# Altium PCB UniBot-PW01 V1.0.PcbDoc
Units mm, origin at the board's own origin, x right, y up, seen from the top; angles counter-clockwise.
Board outline 89.7 x 64.61 mm, 2 copper layers (Top Layer, Bottom Layer); 64 components, 69 nets, 256 pads, 482 vias.
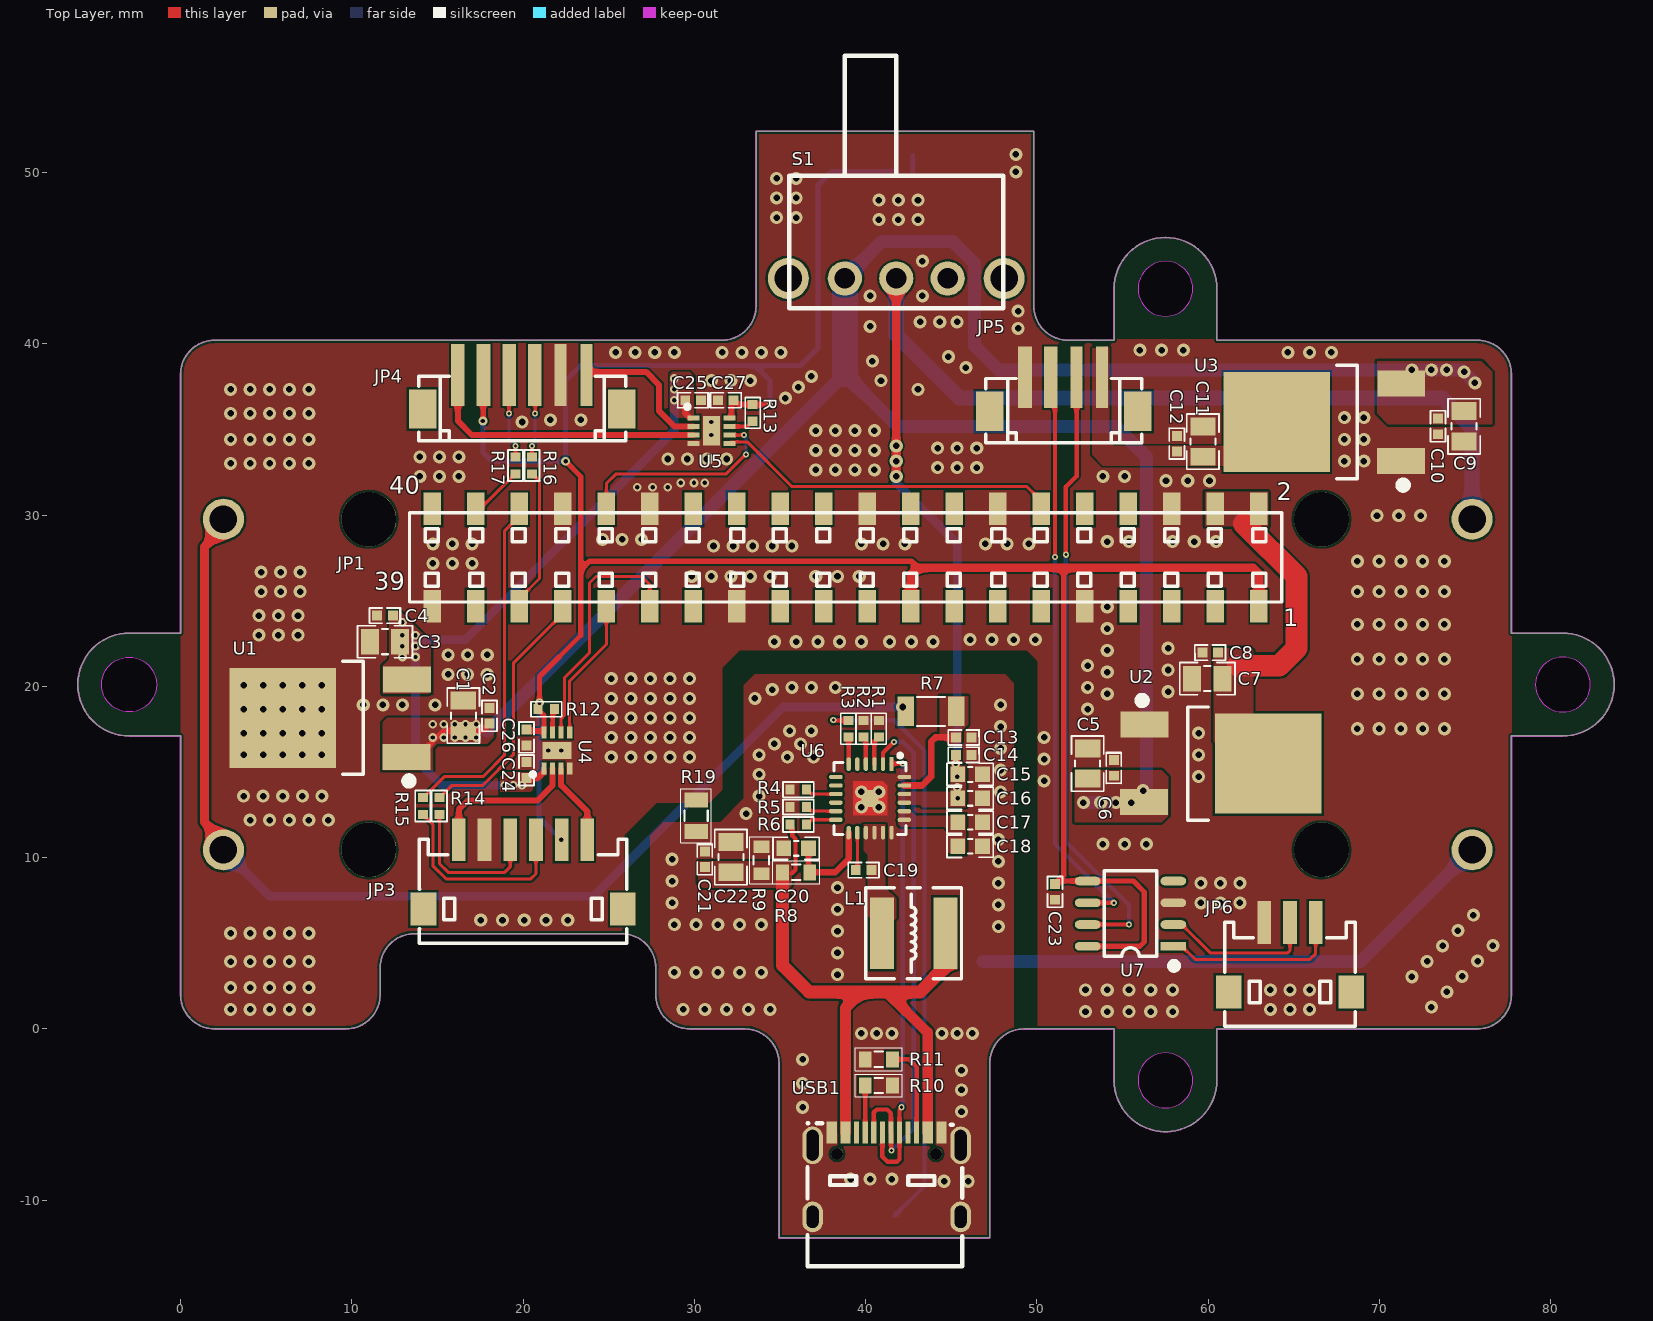
[diagram p0: Top Layer view]
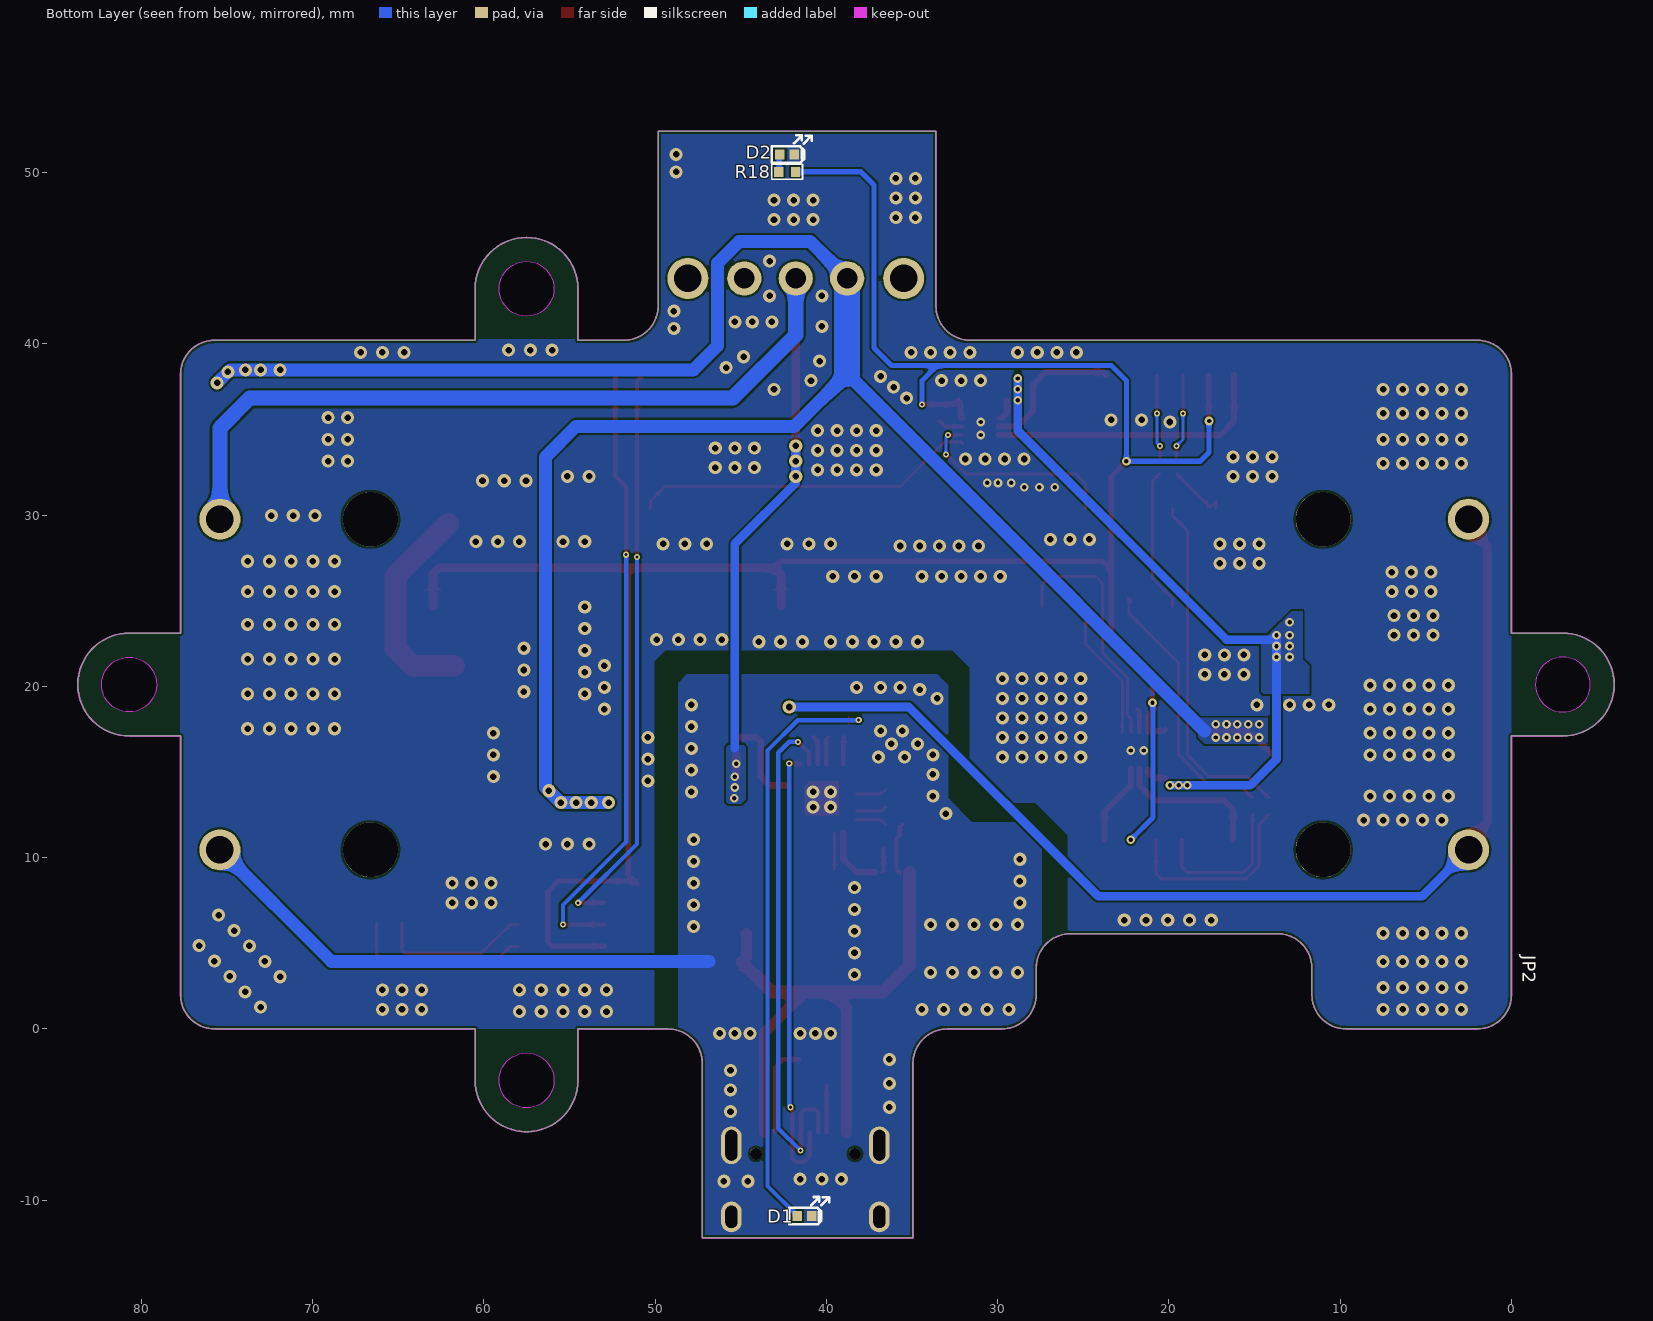
[diagram p1: Bottom Layer view, seen from below]

## Layer stack, top to bottom
Top Solder: solder mask 0.0102, Solder Resist, Dk 3.5
Top Layer: signal copper 0.0356
Dielectric 1: dielectric 0.32, FR-4, Dk 4.8
Bottom Layer: signal copper 0.0356
Bottom Solder: solder mask 0.0102, Solder Resist, Dk 3.5

## Board outline
0,2 ccw(c2,2) 2,0 9.652,0 ccw(c9.652,2) 11.652,2 11.652,3.556 cw(c13.652,3.556) 13.652,5.556 25.749,5.556 cw(c25.749,3.556) 27.749,3.556 27.749,2 ccw(c29.749,2) 29.749,0 32.939,0 cw(c32.939,-2) 34.939,-2 34.939,-12.2 47.24,-12.2 47.24,-2 cw(c49.24,-2) 49.24,0 54.501,0 54.5,0 54.5,-3 ccw(c57.5,-3) 60.5,-3 60.5,0 75.7,0 ccw(c75.7,2) 77.7,2 77.7,17.105 80.7,17.105 ccw(c80.7,20.105) 80.7,23.105 77.7,23.105 77.7,38.21 ccw(c75.7,38.21) 75.7,40.21 60.5,40.21 60.5,43.21 ccw(c57.5,43.21) 54.5,43.21 54.5,40.21 51.816,40.21 cw(c51.816,42.21) 49.816,42.21 49.816,52.41 33.6,52.41 33.6,42.21 cw(c31.6,42.21) 31.6,40.21 2,40.21 ccw(c2,38.21) 0,38.21 0,23.105 -3,23.105 ccw(c-3,20.105) -3,17.105 0,17.105
cut-out: 55.9,-3 ccw(c57.5,-3) 57.5,-4.6 ccw(c57.5,-3) 59.1,-3 ccw(c57.5,-3) 57.5,-1.4 ccw(c57.5,-3)
cut-out: 79.1,20.105 ccw(c80.7,20.105) 80.7,18.505 ccw(c80.7,20.105) 82.3,20.105 ccw(c80.7,20.105) 80.7,21.705 ccw(c80.7,20.105)
cut-out: 55.9,43.21 ccw(c57.5,43.21) 57.5,41.61 ccw(c57.5,43.21) 59.1,43.21 ccw(c57.5,43.21) 57.5,44.81 ccw(c57.5,43.21)
cut-out: -3,18.505 cw(c-3,20.105) -4.6,20.105 cw(c-3,20.105) -3,21.705 cw(c-3,20.105) -1.4,20.105 cw(c-3,20.105)

## Design rules (kind name [scope] priority, off if disabled: settings)
Clearance [All] p1: gap=0.127 ignorepadtopadclearanceinfootprint=TRUE except(0: Arc-Hole Track-Hole SMDPad-Hole THPad-Hole Via-Hole Fill-Hole Poly-Hole Region-Hole Text-Hole)
ComponentClearance [All] p1: gap=0 collisioncheckmode=3 verticalgap=0 showdistances=FALSE
Height [All] p1: minheight=0 maxheight=2539.975 prefheight=12.7
HoleSize [All] p1: absolutevalues=TRUE maxlimit=100 minlimit=0.025 maxpercent=80.000 minpercent=20.000
HoleToHoleClearance [All] p1: gap=0 allowstackedmicrovias=TRUE
MinimumSolderMaskSliver [All] p1: minsoldermaskwidth=0
PlaneConnect [All] p1: planeconnectstyle=Direct reliefexpansion=0.508 reliefentries=4 reliefconductorwidth=0.254 reliefairgap=0.254
PolygonConnect [All] p1: connectstyle=Direct reliefconductorwidth=0.254 reliefentries=4 polygonreliefangle="90 Angle" airgapwidth=0.254
RoutingVias [All] p1: holewidth=0.305 width=0.61 viastyle="Through Hole" minholewidth=0.178 minwidth=0.356 maxholewidth=0.711 maxwidth=1.27
SilkToSilkClearance [All] p1: silktosilkclearance=0
SilkToSolderMaskClearance [IsPad] p1: minsilkscreentomaskgap=0 clearancetoexposedcopper=TRUE
SolderMaskExpansion [All] p1: expansion=0.102
Width [All] p1: maxlimit=10 minlimit=0.178 preferedwidth=0.254
22 further rules are at their usual default settings.

## Components (designator, comment, footprint, x,y, rotation, side; value= is the part's Value field where it differs from the comment)
C1 "10uF" C0805 16.51,18.288 r90 top
C2 "100nF" C0402 18.034,18.288 r90 top
C3 "10uF" C0805 11.938,22.606 r0 top
C4 "100nF" C0402 11.938,24.13 r0 top
C5 "10uF" C0805 52.959,15.494 r90 top
C6 "100nF" C0402 54.483,15.24 r90 top
C7 "22uF" C0805 59.944,20.447 r0 top
C8 "100nF" C0402 60.119,21.971 r0 top
C9 "10uF" C0805 74.93,35.179 r270 top
C10 "100nF" C0402 73.406,35.179 r270 top
C11 "22uF" C0805 59.69,34.29 r270 top
C12 "100nF" C0402 58.166,34.163 r270 top
C13 "100nF" C0402 45.72,17.018 r180 top
C14 "100nF" C0402 45.72,16.002 r180 top
C15 "10uF" C0603 46.101,14.859 r0 top
C16 "10uF" C0603 46.101,13.462 r0 top
C17 "10uF" C0603 46.101,12.065 r180 top
C18 "10uF" C0603 46.101,10.668 r180 top
C19 "100nF" C0402 39.878,9.271 r180 top
C20 "10uF" C0603 35.941,10.541 r180 top
C21 "10nF" C0402 30.607,9.906 r90 top
C22 "22uF" C0805 32.131,10.033 r90 top
C23 "100nF" C0402 51.054,8.001 r270 top
C24 "100nF" C0402 20.193,15.113 r90 top
C25 "100nF" C0402 29.924,36.703 r0 top locked
C26 "100nF" C0402 20.193,17.018 r270 top
C27 "100nF" C0402 31.829,36.703 r180 top locked
D1 "BLUE LED" LED-0402 41.275,-10.922 r180 bottom
D2 "BLUE LED" LED-0402 42.291,51.054 r180 bottom
JP1 "Header 2X11" ZERO 38.827,27.527 r180 top locked
JP2 "BAT_BOX" BAT_BOX 38.953,20.107 r180 bottom locked
JP3 "HDR-1X6" ZH1.5-WS-6P 20,7 r0 top locked
JP4 "HDR-1X6" ZH1.5-LS-6P 19.938,36.195 r180 top locked
JP5 "HDR-1X4" ZH1.5-LS-4P 51.562,36.068 r180 top
JP6 "HDR-1X3" ZH1.5-WS-3P 64.77,2.159 r0 top
L1 "2.2uH" NR5020 42.799,5.588 r0 top
R1 "68K" R0402 40.767,17.526 r270 top
R2 "51K" R0402 39.878,17.526 r270 top
R3 "1K" R0402 38.989,17.526 r270 top
R4 "68K" R0402 36.068,13.97 r0 top
R5 "75K" R0402 36.068,12.954 r0 top
R6 "51K" R0402 36.068,11.938 r180 top
R7 "100R" R1206 43.815,18.542 r180 top
R8 "0.5R" R0603 35.941,9.144 r180 top
R9 "5.1K" R0603 33.909,9.846 r90 top
R10 "5.1K" R0603 40.767,-3.302 r180 top
R11 "5.1K" R0603 40.767,-1.778 r0 top
R12 "0R" R0402 21.359,18.669 r180 top
R13 "0R" R0402 33.401,35.964 r90 top locked
R14 "0R" R0402 15.113,13.016 r270 top
R15 "0R" R0402 14.149,13.016 r270 top
R16 "0R" R0402 20.522,32.893 r90 top
R17 "0R" R0402 19.558,32.893 r90 top
R18 "10K" R0402 42.291,50.038 r180 bottom
R19 "0R" R0805 30.099,12.446 r90 top
S1 "SS-12F23" SS-12F23 41.783,43.815 r90 top
U1 "AMS1084CD-5.0" TO252 10.16,18.161 r90 top
U2 "AMS1084CD-5.0" TO252 59.309,15.494 r270 top
U3 "AMS1084CD-5.0" TO252 68.199,35.433 r90 top
U4 "DRV8837DSGR" DRV8837DSGR 21.971,16.256 r90 top
U5 "DRV8837DSGR" DRV8837DSGR 30.988,34.925 r0 top locked
U6 "IP2326" "QFN24 4x4_L" 40.259,13.462 r180 top locked
U7 "CH340N" SOP8_L 55.459,6.731 r180 top
USB1 "TYPE-C16PIN" U262-16XN-4BVC11 41.221,-8.509 r0 top locked

## Footprints (in the part's own frame and the unit in brackets; to place one, negate y for a bottom-side part, rotate by r counter-clockwise, add the part's x,y. Pads: shape width x height; smd on the part's side, far side on the other; paste and mask are expansions set on the pad)
BAT_BOX [mm]
  round 2.4 hole 1.6: 1(-36.45,9.65) 2(36.45,-9.65) 2(36.45,9.65) 3(-36.45,-9.65)
  round 3.2 hole 3.2 unplated: ""(-27.66,-9.65) ""(-27.66,9.65) ""(27.96,-9.65) ""(27.96,9.65)
  body extent -38.83,-20.1 38.87,20.11, height 21.95
C0402 [mm] "Capacitor, Chip; 1.00 mm L X 0.50 mm W X 0.55 mm H body"
  rect 0.58x0.58 smd: 1(-0.46,0) 2(0.46,0)
  silkscreen extent -0.9,-0.44 0.9,0.44, body extent -0.5,-0.25 0.5,0.25, height 0.55
C0603 [mm] "Capacitor, Chip; 1.60 mm L X 0.80 mm W X 1.00 mm H body"
  rect 0.86x0.9 smd: 1(-0.72,0) 2(0.72,0)
  silkscreen extent -1.35,-0.65 1.35,0.65, body extent -0.8,-0.4 0.8,0.4, height 1
C0805 [mm] "Capacitor, Chip; 2.00 mm L X 1.25 mm W X 1.30 mm H body"
  rect 1.05x1.47 smd: 1(-0.885,0) 2(0.885,0)
  silkscreen extent -1.61,-0.94 1.61,0.94, body extent -1,-0.63 1,0.63, height 1.3
DRV8837DSGR [mm]
  rect 0.7x0.3 smd: 1(-1.05,0.75) 2(-1.05,0.25) 3(-1.05,-0.25) 4(-1.05,-0.75) 5(1.05,-0.75) 6(1.05,-0.25) 7(1.05,0.25) 8(1.05,0.75)
  rect 1x1.7 smd: 9(0,0)
  silkscreen extent -1.52,1.27 -1.28,1.52, body extent -1.05,-1 1.05,1, height 0.8
LED-0402 [mm]
  rect 0.55x0.6 smd: A(-0.425,0) C(0.425,0)
  silkscreen extent -0.89,-0.48 1.44,1.11, body extent -0.5,-0.25 0.51,0.25, height 0.45
NR5020 [mm] "5.0mm*5.0mm*2.0mm(长*宽*高）"
  rect 1.4x4.2 smd: 1(-1.85,0) 2(1.85,0)
  silkscreen extent -2.79,-2.67 2.79,2.67, body extent -2.5,-2.5 2.5,2.5, height 2.1
"QFN24 4x4_L" [mm] "24脚，长x宽x高：4x4x1mm，脚距：0.5mm"
  rect 0.25x0.8 smd: 1(-1.25,-2)
  oval 0.25x0.8 smd: 2(-0.75,-2) 3(-0.25,-2) 4(0.25,-2) 5(0.75,-2) 6(1.25,-2) 13(1.25,2) 14(0.75,2) 15(0.25,2) 16(-0.25,2) 17(-0.75,2) 18(-1.25,2)
  oval 0.8x0.25 smd: 7(2,-1.25) 8(2,-0.75) 9(2,-0.25) 10(2,0.25) 11(2,0.75) 12(2,1.25) 19(-2,1.25) 20(-2,0.75) 21(-2,0.25) 22(-2,-0.25) 23(-2,-0.75) 24(-2,-1.25)
  rect 1x1 smd: 25(0,0)
  Top Layer region: -1,1 1,1 1,-1 -0.75,-1 -1,-0.75
  silkscreen extent -2.11,-2.6 2.11,2.11, body extent -2.01,-2.01 2.01,2.01, height 0.95
R0402 [mm] "Resistor, Chip; 1.00 mm L X 0.50 mm W X 0.40 mm H body"
  rect 0.53x0.58 smd: 1(-0.485,0) 2(0.485,0)
  silkscreen extent -0.9,-0.44 0.9,0.44, body extent -0.5,-0.25 0.5,0.25, height 0.4
R0603 [mm] "Resistor, Chip; 1.60 mm L X 0.80 mm W X 0.55 mm H body"
  rect 0.74x0.93 smd: 1(-0.795,0) 2(0.795,0)
  silkscreen extent -1.37,-0.67 1.37,0.67, body extent -0.8,-0.4 0.8,0.4, height 0.55
R0805 [mm] "Resistor, Chip; 2.00 mm L X 1.25 mm W X 0.60 mm H body"
  rect 0.87x1.38 smd: 1(-0.93,0) 2(0.93,0)
  silkscreen extent -1.57,-0.89 1.57,0.89, body extent -1,-0.63 1,0.63, height 0.6
R1206 [mm] "Resistor, Chip; 3.10 mm L X 1.60 mm W X 0.65 mm H body"
  rect 0.97x1.73 smd: 1(-1.48,0) 2(1.48,0)
  silkscreen extent -0.81,-0.85 0.81,0.85, body extent -1.55,-0.8 1.55,0.8, height 0.65
SOP8_L [mm] "4*5*1.8mm（长宽高）"
  rect 1.5x0.5 smd: 1(-2.5,1.905)
  oval 1.5x0.5 smd: 2(-2.5,0.635) 3(-2.5,-0.635) 4(-2.5,-1.905) 5(2.5,-1.905) 6(2.5,-0.635) 7(2.5,0.635) 8(2.5,1.905)
  silkscreen extent -2.69,-2.5 1.52,3.2, body extent -3,-2.5 3,2.5, height 1.9
SS-12F23 [mm] "脚距3mm"
  round 2.4 hole 1.6: 0(0,6.3) 0(0,-6.3)
  round 2 hole 1.2: 1(0,3) 2(0,0) 3(0,-3)
  silkscreen extent -1.75,-6.25 13,6.25, body extent -0.61,-6.52 12.29,6.48, height 5.75
TO252 [mil] "252晶体管"
  rect 60x110 smd: 1(-89.55,-119.77) 3(88.45,-120.77)
  rect 230x245 smd: 2(0,165.35)
  silkscreen extent -153,-133 130,28, body extent -128,-120 128,251, height 91
U262-16XN-4BVC11 [mm]
  oval 1.2x2.2 hole 0.7 slot 1.8 at 90 deg: 1(-4.32,1.719) 4(4.32,1.719)
  oval 1.2x1.8 hole 0.7 slot 1.3 at 90 deg: 2(-4.32,-2.461) 3(4.32,-2.461)
  rect 0.6x1.3 smd: A1B12(-3.2,2.461) A4B9(-2.4,2.461) B1A12(3.2,2.461) B4A9(2.4,2.461)
  rect 0.3x1.3 smd: A5(-1.25,2.461) A6(-0.25,2.461) A7(0.25,2.461) A8(1.25,2.461) B5(1.75,2.461) B6(0.75,2.461) B7(-0.75,2.461) B8(-1.75,2.461)
  round 0.7 hole 0.7 unplated: ""(-2.89,1.219) ""(2.89,1.219)
  silkscreen extent -4.62,-5.35 4.42,3.01, body extent -4.44,-5.02 4.46,2.54, height 3.25
ZERO [mm]
  rect 1.02x1.9 smd: 1(-24.13,2.85) 2(-24.13,-2.85) 3(-21.59,2.85) 4(-21.59,-2.85) 5(-19.05,2.85) 6(-19.05,-2.85) 7(-16.51,2.85) 8(-16.51,-2.85) 9(-13.97,2.85) 10(-13.97,-2.85) 11(-11.43,2.85) 12(-11.43,-2.85) 13(-8.89,2.85) 14(-8.89,-2.85) 15(-6.35,2.85) 16(-6.35,-2.85) 17(-3.81,2.85) 18(-3.81,-2.85) 19(-1.27,2.85) 20(-1.27,-2.85) 21(1.27,2.85) 22(1.27,-2.85) 23(3.81,2.85) 24(3.81,-2.85) 25(6.35,2.85) 26(6.35,-2.85) 27(8.89,2.85) 28(8.89,-2.85) 29(11.43,2.85) 30(11.43,-2.85) 31(13.97,2.85) 32(13.97,-2.85) 33(16.51,2.85) 34(16.51,-2.85) 35(19.05,2.85) 36(19.05,-2.85) 37(21.59,2.85) 38(21.59,-2.85) 39(24.13,2.85) 40(24.13,-2.85)
  silkscreen extent -25.46,-2.6 25.46,2.6, body extent -32.53,-3.47 33.47,27.53, height 5.15
ZH1.5-LS-4P [mm] "长：9.0mm，宽：3.7mm，高：5.0mm"
  rect 1.6x2.3 smd: 0(-4.318,0) 0(4.318,0)
  rect 0.7x3.6 smd: 1(-2.238,-1.981) 2(-0.738,-1.981)
  rect 0.8x3.6 smd: 3(0.762,-1.981) 4(2.262,-1.981)
  silkscreen extent -4.55,-1.91 4.55,1.85, body extent -4.55,-3.35 4.55,1.85, height 5.05
ZH1.5-LS-6P [mm] "长：12.0mm，宽：3.7mm，高：5.0mm"
  rect 1.6x2.3 smd: 0(-5.83,0) 0(5.806,0)
  rect 0.7x3.6 smd: 1(-3.75,-1.981) 2(-2.25,-1.981)
  rect 0.8x3.6 smd: 3(-0.75,-1.981) 4(0.75,-1.981) 5(2.25,-1.981) 6(3.75,-1.981)
  silkscreen extent -6.06,-1.91 6.04,1.85, body extent -6.06,-3.35 6.04,1.85, height 5.05
ZH1.5-WS-3P [mm] "长：7.6mm，宽：6.0mm，高：3.7mm"
  rect 1.5x1.95 smd: 0(-3.568,0) 0(3.568,0)
  rect 0.8x2.5 smd: 1(-1.5,4.05) 2(0,4.05) 3(1.5,4.05)
  silkscreen extent -3.8,-2 3.8,4.06, body extent -3.8,-2 3.8,4.6, height 3.75
ZH1.5-WS-6P [mm] "长：12.1mm，宽：6.0mm，高：3.7mm"
  rect 1.5x1.95 smd: 0(-5.818,0) 0(5.818,0)
  rect 0.8x2.5 smd: 1(-3.75,4.05) 2(-2.25,4.05) 3(-0.75,4.05) 4(0.75,4.05) 5(2.25,4.05) 6(3.75,4.05)
  silkscreen extent -6.05,-2 6.05,4.06, body extent -6.05,-2 6.05,4.6, height 3.75

## Part data
C1 C3 C5 C9: library part E01C00153, "CAP CER 10uF 25V X5R 0805", MPN=0805X106K250NT, Power=25V, Temperature="-55¡ãC ¡« 125¡", Tolerance=±10%, Component=Standard, ComponentLink1Description=Datasheet, ComponentLink1URL=https://atta.szlcsc.com/upload/public/pdf/source/20200305/C486355_26A10D38EF8C2A5C37091D0039909270.pdf, MFG=FH, Part Number=E01C00153, Part Type=Ceramic, Updated Time=2024/6/17, Voltage=25V
C2 C4 C6 C8 C12 C13 C14 C19 C23 C24 C25 C26 C27: library part E01C00061, "CAP CER 100nF 50V X7R 0402", MPN=0402B104K500NT, Power=50V, Temperature="-55¡ãC ¡« 125¡", Tolerance=±10%, Component=Standard, ComponentLink1Description=Datasheet, ComponentLink1URL=https://atta.szlcsc.com/upload/public/pdf/source/20200305/C486355_26A10D38EF8C2A5C37091D0039909337.pdf, MFG=FH, Part Number=E01C00061, Part Type=Ceramic, Updated Time=2024/5/28, Voltage=50V
C7 C11 C22: library part E01C00160, "CAP CER 22uF 25V X5R 0805", MPN=CL21A226MAQNNNE, Power=25V, Temperature="-55¡ãC ¡« 125¡", Tolerance=±20%, Component=Standard, ComponentLink1Description=Datasheet, ComponentLink1URL=https://atta.szlcsc.com/upload/public/pdf/source/20160218/1457707763339.pdf, MFG=ÈýÐ, Part Number=E01C00160, Part Type=Ceramic, Updated Time=2024/7/30, Voltage=25V
C10: library part E01C00061, "CAP CER 100nF 50V X7R 0402", MPN=0402B104K500NT, Power=50V, Temperature="-55°C ～ 125°C", Tolerance=±10%, Component=Standard, ComponentLink1Description=Datasheet, ComponentLink1URL=https://atta.szlcsc.com/upload/public/pdf/source/20200305/C486355_26A10D38EF8C2A5C37091D0039909337.pdf, MFG=FH, Part Number=E01C00061, Part Type=Ceramic, Updated Time=2024/5/28, Voltage=50V
C15 C16 C17 C18 C20: library part E01C00141, "CAP CER 10uF 16V X5R 0603", MPN=0603X106K160NT, Power=16V, Temperature="-55¡ãC ¡« 125¡", Tolerance=±10%, Component=Standard, ComponentLink1Description=Datasheet, ComponentLink1URL=https://atta.szlcsc.com/upload/public/pdf/source/20200305/C486355_26A10D38EF8C2A5C37091D0039909417.pdf, MFG=FH, Part Number=E01C00141, Part Type=Ceramic, Updated Time=2024/5/28, Voltage=16V
C21: library part E01C00054, "CAP CER 10nF 50V X7R 0402", MPN=0402B103K500NT, Power=50V, Temperature="-55¡ãC ¡« 125¡", Tolerance=±10%, Component=Standard, ComponentLink1Description=Datasheet, ComponentLink1URL=https://atta.szlcsc.com/upload/public/pdf/source/20200305/C486355_26A10D38EF8C2A5C37091D0039909330.pdf, MFG=FH, Part Number=E01C00054, Part Type=Ceramic, Updated Time=2024/5/28, Voltage=50V
D1 D2: library part E01D00010, "Blue led，20mcd@5mA", MPN=BL-HB337A-AV-TRB, Availability=A, Component=Standard, ComponentLink1Description=Datasheet, Distributor=Szlcsc, MFG=BrtLed, Part Number=E01D00010, Part Type=LED, Price=0.19
JP1: library part "Header 20X2", "20*2P接插件", BOM名称=20*2P接, 学习资源=www.ooocke.
JP3 JP4: library part "Header 6", "6P接插件", BOM名称=6P接, 学习资源=www.ooocke.
JP5: library part "Header 4", "4P接插件", BOM名称=4P接, 学习资源=www.ooocke.
JP6: library part "Header 3", "3P接插件", BOM名称=3P接, 学习资源=www.ooocke.
L1: library part L-CD, "TMPA0503S-2R2MN-D", BOM名称=¹¦Â, 学习资源=www.ooocke.
R1 R4: library part E01R00976, "KES SMD 68K OHM 1% 1/16W 0402", MPN=RC-02W6802FT, Power=62.5mW,1/16W, Temperature="-55¡ãC ¡« 155¡", Tolerance=±1%, Component=Standard, ComponentLink1Description=Datasheet, ComponentLink1URL=https://atta.szlcsc.com/upload/public/pdf/source/20140616/1457707091974.pdf, MFG=FH, Part Number=E01R00976, Part Type=RES, Updated Time=2024/7/12
R2 R6: library part E01R00977, "KES SMD 51K OHM 1% 1/16W 0402", MPN=RC-02W5102FT, Power=62.5mW,1/16W, Temperature="-55¡ãC ¡« 155¡", Tolerance=±1%, Component=Standard, ComponentLink1Description=Datasheet, ComponentLink1URL=https://atta.szlcsc.com/upload/public/pdf/source/20190505/C118335_36085569433BA7FFC796E569DBFE3139.pdf, MFG=FH, Part Number=E01R00977, Part Type=RES, Updated Time=2024/7/12
R3: library part E01R00193, "KES SMD 1K OHM 1% 1/16W 0402", MPN=RC-02W1001FT, Power=62.5mW，1/16W, Temperature="-55¡ãC ¡« 155¡", Tolerance=±1%, Component=Standard, ComponentLink1Description=Datasheet, ComponentLink1URL=https://atta.szlcsc.com/upload/public/pdf/source/20210810/804F937F2E44474796563B62A5505FAF.pdf, MFG=FH, Part Number=E01R00193, Part Type=RES, Updated Time=2024/5/28
R5: library part E01R00372, "KES SMD 75K OHM 1% 1/16W 0402", MPN=RC-02W7502FT, Power=62.5mW，1/16W, Temperature="-55¡ãC ¡« 155¡", Tolerance=±1%, Component=Standard, ComponentLink1Description=Datasheet, ComponentLink1URL=https://atta.szlcsc.com/upload/public/pdf/source/20210810/804F937F2E44474796563B62A5505FAF.pdf, MFG=FH, Part Number=E01R00372, Part Type=RES, Updated Time=2024/5/28
R7: library part E01R00979, "RES SMD 100R OHM 1% 1/4W 1206", MPN=1206W4F1000T5E, Power="250mW, 1/4W", Temperature="-55¡ãC ¡« 155¡", Tolerance=±1%, Component=Standard, ComponentLink1Description=Datasheet, ComponentLink1URL=https://atta.szlcsc.com/upload/public/pdf/source/20200306/C422600_1E6D84923E4A46A82E41ADD87F860B5C.pdf, MFG=UNI-ROYAL(厚声, Part Number=E01R00979, Part Type=RES, Updated Time=2024/7/12